# Altium PCB WatchX_Pro.PcbDoc (part 2 of 2)
Units mm, origin at the board's own origin, x right, y up, seen from the top; angles counter-clockwise.
Board outline 36.25 x 48.75 mm, 2 copper layers (Top Layer, Bottom Layer); 83 components, 60 nets, 314 pads, 112 vias.
Unrouted connection lines stored in the file: 11.
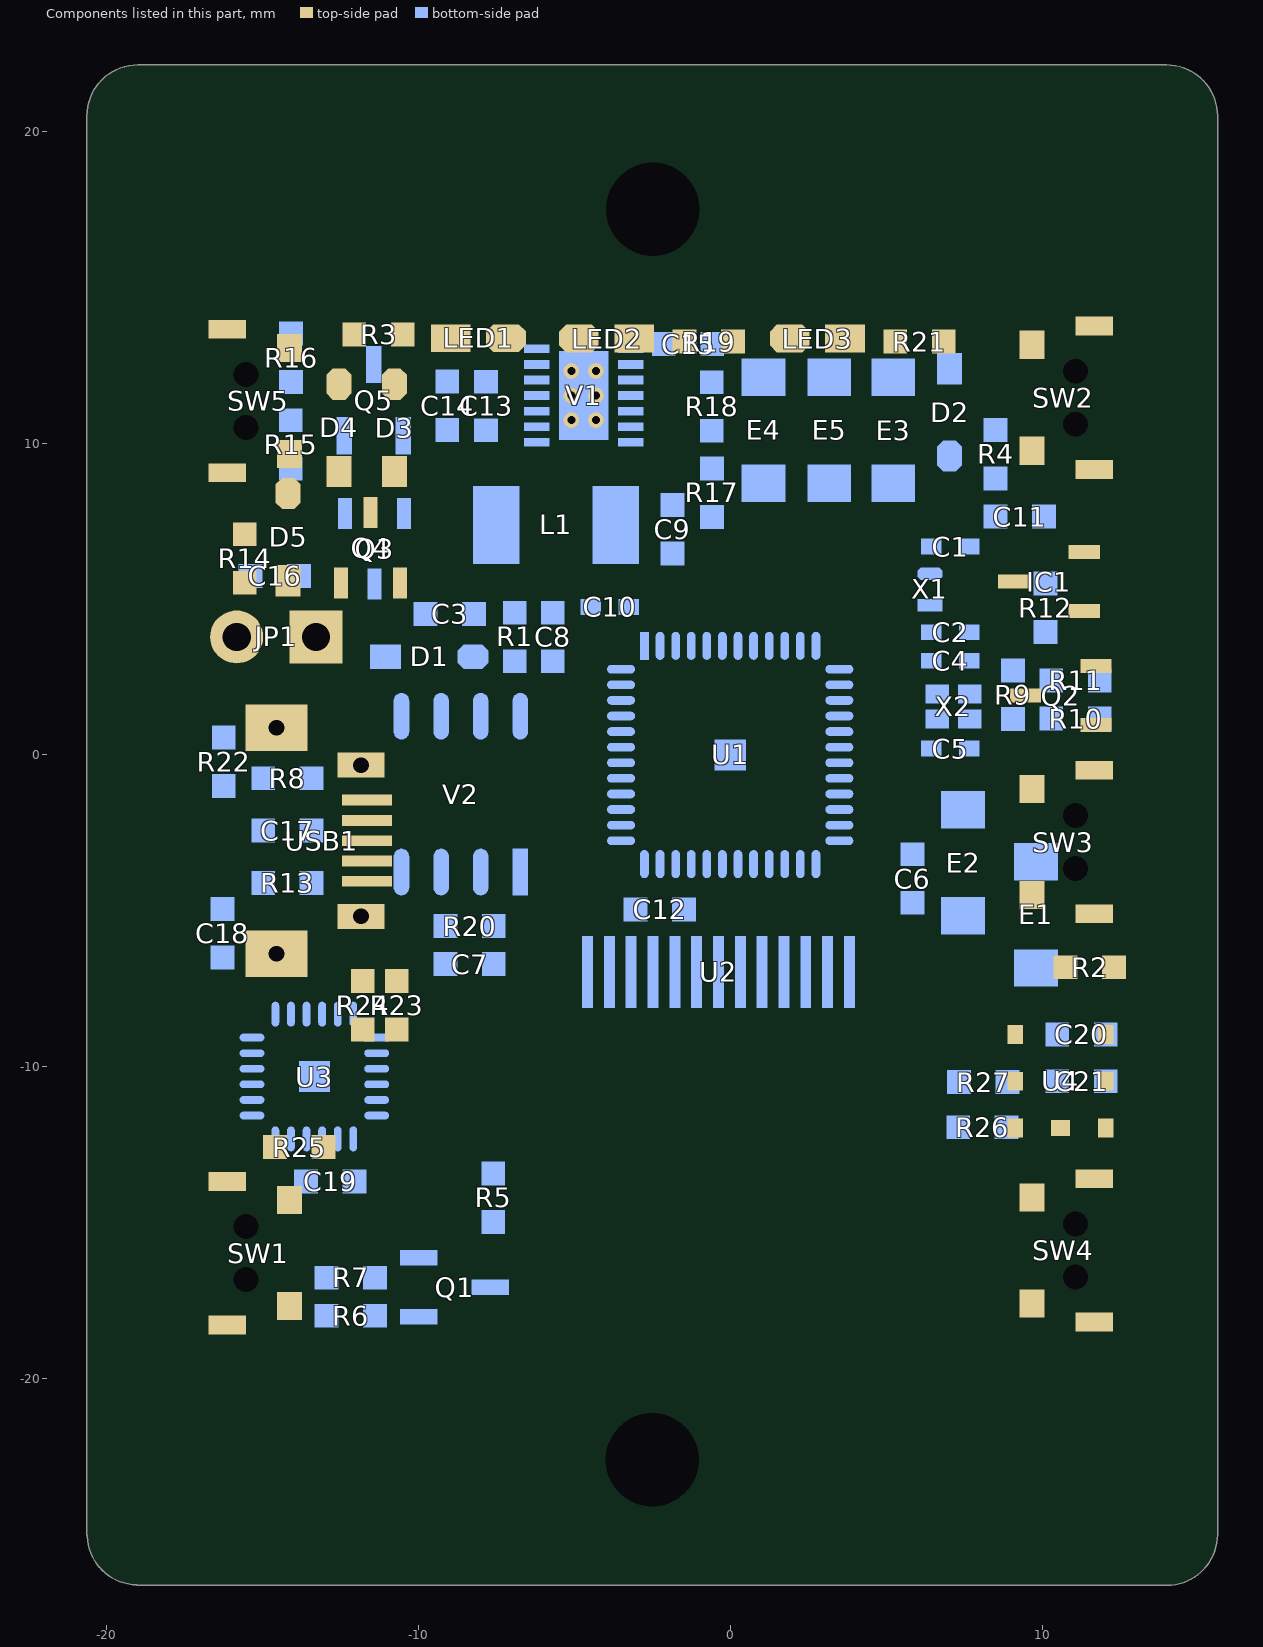
[diagram p2: the components of this part, seen from the top]

## Via types
v1: diameter 0.406, hole 0.203, Top Layer to Bottom Layer, tented both sides, 105 vias
v2: diameter 0.61, hole 0.305, Top Layer to Bottom Layer, tented both sides, 7 vias

## Nets (pads, with @x,y where several pads share a name; then routed paths per layer and width w, separated by ;. In a path a pad name is that pad's centre, name@x,y a point inside that pad or via, vN(x,y) a via of type N, cw(c..) or ccw(c..) an arc to the next point about the centre after c; other vN are vias at no path point) (continued)
copper on no net: | length 387
  Bottom Layer w0.025: 4.384,-18.898 6.746,-18.898 ; 4.384,-15.519 7,-15.519 ; 4.409,-18.872 7.025,-18.872 ; 4.409,-15.545 7.025,-15.545 ; 4.434,-18.847 7.101,-18.847 ; 4.434,-15.596 7.127,-15.596 ; 4.434,-15.57 7.076,-15.57 ; 4.46,-18.821 7.178,-18.821 ; 4.46,-18.796 7.203,-18.796 ; 4.46,-15.621 7.178,-15.621 ; 4.485,-18.771 4.638,-18.771 ; 4.485,-18.745 4.663,-18.745 ; 4.485,-15.672 4.663,-15.672 ; 4.485,-15.646 4.638,-15.646 ; 4.511,-18.72 4.663,-18.72 ; 4.511,-15.697 4.663,-15.697 ; 4.536,-18.694 4.688,-18.694 ; 4.536,-15.723 4.688,-15.723 ; 4.561,-18.669 4.714,-18.669 ; 4.561,-18.644 4.714,-18.644 ; 4.561,-15.773 4.714,-15.773 ; 4.561,-15.748 4.714,-15.748 ; 4.587,-18.618 4.739,-18.618 ; 4.587,-15.824 4.739,-15.824 ; 4.587,-15.799 4.739,-15.799 ; 4.612,-18.593 4.765,-18.593 ; 4.612,-18.567 4.765,-18.567 ; 4.612,-15.85 4.765,-15.85 ; 4.638,-18.542 4.765,-18.542 ; 4.638,-18.517 4.79,-18.517 ; 4.638,-15.9 4.79,-15.9 ; 4.638,-15.875 4.765,-15.875 ; 4.663,-18.491 4.815,-18.491 ; 4.663,-15.926 4.815,-15.926 ; 4.688,-18.466 4.841,-18.466 ; 4.688,-18.44 4.841,-18.44 ; 4.688,-15.977 4.841,-15.977 ; 4.688,-15.951 4.841,-15.951 ; 4.714,-18.415 4.866,-18.415 ; 4.714,-18.39 4.892,-18.39 ; 4.714,-16.027 4.892,-16.027 ; 4.714,-16.002 4.866,-16.002 ; 4.739,-18.364 4.917,-18.364 ; 4.739,-16.053 4.917,-16.053 ; 4.765,-18.339 4.917,-18.339 ; 4.765,-18.313 4.942,-18.313 ; 4.765,-16.104 4.942,-16.104 ; 4.765,-16.078 4.917,-16.078 ; 4.79,-18.288 4.942,-18.288 ; 4.79,-16.129 4.942,-16.129 ; 4.815,-18.263 4.968,-18.263 ; 4.815,-16.18 4.993,-16.18 ; 4.815,-16.154 4.968,-16.154 ; 4.841,-18.237 4.993,-18.237 ; 4.841,-18.212 4.993,-18.212 ; 4.841,-18.186 5.019,-18.186 ; 4.841,-16.231 5.019,-16.231 ; 4.841,-16.205 4.993,-16.205 ; 4.892,-18.161 5.044,-18.161 ; 4.892,-18.136 5.044,-18.136 ; 4.892,-16.281 5.044,-16.281 ; 4.892,-16.256 5.044,-16.256 ; 4.917,-18.11 5.069,-18.11 ; 4.917,-18.085 5.069,-18.085 ; 4.917,-16.332 5.069,-16.332 ; 4.917,-16.307 5.069,-16.307 ; 4.942,-18.059 5.095,-18.059 ; 4.942,-16.358 5.095,-16.358 ; 4.968,-18.034 5.12,-18.034 ; 4.968,-18.009 5.12,-18.009 ; 4.968,-16.408 5.12,-16.408 ; 4.968,-16.383 5.12,-16.383 ; 4.993,-17.983 5.146,-17.983 ; 4.993,-16.434 5.146,-16.434 ; 5.019,-17.958 5.171,-17.958 ; 5.019,-17.932 5.171,-17.932 ; 5.019,-16.485 5.171,-16.485 ; 5.019,-16.459 5.171,-16.459 ; 5.044,-17.907 5.222,-17.907 ; 5.044,-17.882 5.222,-17.882 ; 5.044,-16.535 5.222,-16.535 ; 5.044,-16.51 5.196,-16.51 ; 5.069,-17.856 5.222,-17.856 ; 5.069,-16.561 5.222,-16.561 ; 5.095,-17.831 5.247,-17.831 ; 5.095,-17.805 5.273,-17.805 ; 5.095,-16.612 5.273,-16.612 ; 5.095,-16.586 5.247,-16.586 ; 5.12,-17.78 5.273,-17.78 ; 5.12,-16.662 5.298,-16.662 ; 5.12,-16.637 5.273,-16.637 ; 5.146,-17.755 5.298,-17.755 ; 5.146,-17.729 5.323,-17.729 ; 5.146,-16.688 5.298,-16.688 ; 5.171,-17.704 5.323,-17.704 ; 5.171,-16.713 5.323,-16.713 ; 5.196,-17.678 5.349,-17.678 ; 5.196,-16.739 5.349,-16.739 ; 5.222,-17.653 5.374,-17.653 ; 5.222,-17.628 5.374,-17.628 ; 5.222,-16.789 5.374,-16.789 ; 5.222,-16.764 5.374,-16.764 ; 5.247,-17.602 5.4,-17.602 ; 5.247,-17.577 5.4,-17.577 ; 5.247,-16.84 5.4,-16.84 ; 5.247,-16.815 5.4,-16.815 ; 5.273,-17.551 5.425,-17.551 ; 5.273,-16.891 5.425,-16.891 ; 5.273,-16.866 5.425,-16.866 ; 5.298,-17.526 5.425,-17.526 ; 5.298,-17.501 5.45,-17.501 ; 5.298,-16.916 5.45,-16.916 ; 5.323,-17.475 5.476,-17.475 ; 5.323,-17.45 5.476,-17.45 ; 5.323,-16.967 5.476,-16.967 ; 5.323,-16.942 5.476,-16.942 ; 5.349,-17.424 5.501,-17.424 ; 5.349,-16.993 5.501,-16.993 ; 5.374,-17.399 5.527,-17.399 ; 5.374,-17.374 5.552,-17.374 ; 5.374,-17.043 5.552,-17.043 ; 5.374,-17.018 5.527,-17.018 ; 5.4,-17.348 5.577,-17.348 ; 5.4,-17.069 5.552,-17.069 ; 5.425,-17.323 5.577,-17.323 ; 5.425,-17.297 5.603,-17.297 ; 5.425,-17.12 5.603,-17.12 ; 5.425,-17.094 5.577,-17.094 ; 5.45,-17.272 5.603,-17.272 ; 5.45,-17.17 5.628,-17.17 ; 5.45,-17.145 5.603,-17.145 ; 5.476,-17.247 5.628,-17.247 ; 5.476,-17.221 5.654,-17.221 ; 5.476,-17.196 5.628,-17.196 ; 5.704,-17.932 6.085,-17.932 ; 5.704,-17.907 6.06,-17.907 ; 5.704,-17.882 6.06,-17.882 ; 5.704,-17.856 6.06,-17.856 ; 5.704,-17.831 6.035,-17.831 ; 5.704,-17.805 5.882,-17.805 ; 5.73,-17.983 6.111,-17.983 ; 5.73,-17.958 6.085,-17.958 ; 5.73,-17.78 5.857,-17.78 ; 5.755,-18.034 6.136,-18.034 ; 5.755,-18.009 6.111,-18.009 ; 5.781,-18.059 6.136,-18.059 ; 5.781,-17.755 5.806,-17.755 ; 5.781,-17.297 6.162,-17.297 ; 5.781,-17.272 6.136,-17.272 ; 5.781,-17.247 6.111,-17.247 ; 5.781,-17.221 6.111,-17.221 ; 5.781,-17.196 6.111,-17.196 ; 5.781,-17.17 6.111,-17.17 ; 5.781,-17.145 6.085,-17.145 ; 5.781,-17.12 6.111,-17.12 ; 5.781,-17.094 6.67,-17.094 ; 5.806,-18.085 6.136,-18.085 ; 5.806,-17.526 5.958,-17.526 ; 5.806,-17.501 5.958,-17.501 ; 5.806,-17.475 5.958,-17.475 ; 5.806,-17.45 6.289,-17.45 ; 5.806,-17.424 6.263,-17.424 ; 5.806,-17.399 6.238,-17.399 ; 5.806,-17.374 6.212,-17.374 ; 5.806,-17.348 6.187,-17.348 ; 5.806,-17.323 6.162,-17.323 ; 5.806,-17.069 6.644,-17.069 ; 5.806,-17.043 6.619,-17.043 ; 5.806,-17.018 6.593,-17.018 ; 5.806,-16.993 6.568,-16.993 ; 5.806,-16.967 6.543,-16.967 ; 5.806,-16.942 6.492,-16.942 ; 5.806,-16.916 6.466,-16.916 ; 5.806,-16.891 6.416,-16.891 ; 5.806,-16.866 6.39,-16.866 ; 5.831,-18.136 6.187,-18.136 ; 5.831,-18.11 6.162,-18.11 ; 5.831,-17.628 5.984,-17.628 ; 5.831,-17.602 5.984,-17.602 ; 5.831,-17.577 5.958,-17.577 ; 5.831,-17.551 5.958,-17.551 ; 5.831,-16.84 6.365,-16.84 ; 5.831,-16.815 6.289,-16.815 ; 5.831,-16.789 6.263,-16.789 ; 5.831,-16.764 5.984,-16.764 ; 5.857,-17.704 6.009,-17.704 ; 5.857,-17.678 5.984,-17.678 ; 5.857,-17.653 5.984,-17.653 ; 5.857,-16.739 5.984,-16.739 ; 5.857,-16.713 5.984,-16.713 ; 5.882,-18.161 6.187,-18.161 ; 5.882,-17.78 6.035,-17.78 ; 5.882,-17.755 6.009,-17.755 ; 5.882,-17.729 6.009,-17.729 ; 5.882,-16.688 6.009,-16.688 ; 5.882,-16.662 6.009,-16.662 ; 5.882,-16.637 6.009,-16.637 ; 5.882,-16.612 6.035,-16.612 ; 5.908,-18.212 6.238,-18.212 ; 5.908,-18.186 6.238,-18.186 ; 5.908,-17.805 6.035,-17.805 ; 5.908,-16.586 6.035,-16.586 ; 5.908,-16.561 6.035,-16.561 ; 5.908,-16.535 6.06,-16.535 ; 5.933,-18.263 6.289,-18.263 ; 5.933,-18.237 6.263,-18.237 ; 5.933,-16.51 6.06,-16.51 ; 5.933,-16.485 6.06,-16.485 ; 5.933,-16.459 6.085,-16.459 ; 5.958,-18.288 6.314,-18.288 ; 5.958,-16.434 6.085,-16.434 ; 5.958,-16.408 6.111,-16.408 ; 5.958,-16.383 6.111,-16.383 ; 5.984,-18.313 6.339,-18.313 ; 5.984,-17.475 6.314,-17.475 ; 5.984,-16.358 6.136,-16.358 ; 5.984,-16.332 6.136,-16.332 ; 6.009,-18.339 6.365,-18.339 ; 6.009,-17.526 6.365,-17.526 ; 6.009,-17.501 6.339,-17.501 ; 6.009,-16.307 6.162,-16.307 ; 6.035,-18.364 6.416,-18.364 ; 6.035,-17.551 6.365,-17.551 ; 6.035,-16.764 6.136,-16.764 ; 6.035,-16.281 6.162,-16.281 ; 6.035,-16.256 6.187,-16.256 ; 6.06,-18.39 6.441,-18.39 ; 6.06,-17.577 6.365,-17.577 ; 6.06,-16.231 6.187,-16.231 ; 6.06,-16.205 6.238,-16.205 ; 6.06,-16.18 6.238,-16.18 ; 6.085,-18.415 6.466,-18.415 ; 6.085,-17.602 6.365,-17.602 ; 6.085,-16.154 6.238,-16.154 ; 6.111,-18.44 6.492,-18.44 ; 6.111,-17.628 6.365,-17.628 ; 6.111,-16.129 6.263,-16.129 ; 6.111,-16.104 6.289,-16.104 ; 6.136,-18.466 6.543,-18.466 ; 6.136,-17.653 6.365,-17.653 ; 6.136,-16.078 6.289,-16.078 ; 6.136,-16.053 6.314,-16.053 ; 6.162,-18.491 6.593,-18.491 ; 6.162,-17.678 6.339,-17.678 ; 6.162,-16.027 6.339,-16.027 ; 6.187,-18.517 6.644,-18.517 ; 6.187,-16.002 6.365,-16.002 ; 6.212,-17.704 6.339,-17.704 ; 6.212,-15.977 6.39,-15.977 ; 6.212,-15.037 6.543,-15.037 ; 6.212,-15.011 6.543,-15.011 ; 6.212,-14.986 6.543,-14.986 ; 6.212,-14.961 6.517,-14.961 ; 6.212,-14.935 6.543,-14.935 ; 6.212,-14.91 6.543,-14.91 ; 6.238,-18.542 6.695,-18.542 ; 6.238,-17.12 6.72,-17.12 ; 6.238,-15.951 6.416,-15.951 ; 6.238,-15.138 6.593,-15.138 ; 6.238,-15.113 6.568,-15.113 ; 6.238,-15.088 6.568,-15.088 ; 6.238,-15.062 6.568,-15.062 ; 6.238,-14.884 6.543,-14.884 ; 6.238,-14.859 6.568,-14.859 ; 6.238,-14.834 6.568,-14.834 ; 6.238,-14.808 6.593,-14.808 ; 6.238,-14.783 6.593,-14.783 ; 6.263,-18.593 7.355,-18.593 ; 6.263,-18.567 7.355,-18.567 ; 6.263,-15.926 6.441,-15.926 ; 6.263,-15.215 6.619,-15.215 ; 6.263,-15.189 6.619,-15.189 ; 6.263,-15.164 6.593,-15.164 ; 6.263,-14.757 6.619,-14.757 ; 6.263,-14.732 6.644,-14.732 ; 6.289,-18.618 7.355,-18.618 ; 6.289,-17.145 6.746,-17.145 ; 6.289,-15.9 6.441,-15.9 ; 6.289,-15.291 6.695,-15.291 ; 6.289,-15.265 6.67,-15.265 ; 6.289,-15.24 6.644,-15.24 ; 6.289,-14.707 6.695,-14.707 ; 6.289,-14.681 6.72,-14.681 ; 6.289,-14.656 7.355,-14.656 ; 6.314,-18.644 7.33,-18.644 ; 6.314,-17.17 6.771,-17.17 ; 6.314,-15.875 6.466,-15.875 ; 6.314,-15.85 6.492,-15.85 ; 6.314,-15.316 6.898,-15.316 ; 6.314,-14.63 7.381,-14.63 ; 6.339,-15.824 6.517,-15.824 ; 6.339,-15.367 6.847,-15.367 ; 6.339,-15.342 6.847,-15.342 ; 6.339,-14.605 7.381,-14.605 ; 6.365,-18.669 7.33,-18.669 ; 6.365,-17.221 6.797,-17.221 ; 6.365,-17.196 6.771,-17.196 ; 6.365,-15.799 6.568,-15.799 ; 6.365,-15.392 6.822,-15.392 ; 6.365,-14.58 7.406,-14.58 ; 6.39,-18.694 7.305,-18.694 ; 6.39,-15.773 6.593,-15.773 ; 6.39,-15.418 6.822,-15.418 ; 6.39,-14.554 7.254,-14.554 ; 6.416,-17.247 6.822,-17.247 ; 6.416,-15.748 6.619,-15.748 ; 6.416,-15.469 7.101,-15.469 ; 6.416,-15.443 7.152,-15.443 ; 6.416,-14.529 7.228,-14.529 ; 6.441,-18.72 7.279,-18.72 ; 6.441,-17.272 6.847,-17.272 ; 6.441,-15.723 6.644,-15.723 ; 6.441,-15.494 7.025,-15.494 ; 6.441,-14.503 7.203,-14.503 ; 6.441,-14.478 7.178,-14.478 ; 6.466,-17.297 6.847,-17.297 ; 6.466,-15.697 6.67,-15.697 ; 6.466,-14.453 7.152,-14.453 ; 6.492,-18.745 7.279,-18.745 ; 6.492,-17.348 6.924,-17.348 ; 6.492,-17.323 6.898,-17.323 ; 6.492,-15.672 7.33,-15.672 ; 6.517,-18.771 7.254,-18.771 ; 6.517,-14.427 7.101,-14.427 ; 6.543,-17.374 6.949,-17.374 ; 6.543,-15.646 7.254,-15.646 ; 6.568,-17.399 6.949,-17.399 ; 6.593,-18.948 6.771,-18.948 ; 6.593,-18.923 6.746,-18.923 ; 6.593,-17.424 6.974,-17.424 ; 6.593,-14.402 7.051,-14.402 ; 6.619,-18.974 6.771,-18.974 ; 6.619,-17.45 7,-17.45 ; 6.644,-18.999 6.797,-18.999 ; 6.644,-17.501 7.025,-17.501 ; 6.644,-17.475 7.025,-17.475 ; 6.644,-14.376 7,-14.376 ; 6.67,-19.05 6.822,-19.05 ; 6.67,-19.025 6.822,-19.025 ; 6.67,-17.551 7.076,-17.551 ; 6.67,-17.526 7.051,-17.526 ; 6.695,-19.075 6.847,-19.075 ; 6.695,-17.577 7.076,-17.577 ; 6.695,-15.697 7.406,-15.697 ; 6.72,-19.101 6.898,-19.101 ; 6.72,-17.602 7.101,-17.602 ; 6.72,-15.723 7.508,-15.723 ; 6.746,-19.152 6.924,-19.152 ; 6.746,-19.126 6.898,-19.126 ; 6.746,-17.653 7.127,-17.653 ; 6.746,-17.628 7.101,-17.628 ; 6.746,-15.291 6.924,-15.291 ; 6.746,-15.265 6.924,-15.265 ; 6.746,-14.351 6.898,-14.351 ; 6.771,-19.177 6.949,-19.177 ; 6.771,-18.898 7.051,-18.898 ; 6.771,-17.704 7.152,-17.704 ; 6.771,-17.678 7.127,-17.678 ; 6.771,-15.748 7.609,-15.748 ; 6.771,-15.24 6.949,-15.24 ; 6.797,-19.228 6.974,-19.228 ; 6.797,-19.202 6.949,-19.202 ; 6.797,-18.923 7.101,-18.923 ; 6.797,-17.729 7.152,-17.729 ; 6.797,-15.773 7.686,-15.773 ; 6.797,-15.215 6.949,-15.215 ; 6.822,-19.253 7,-19.253 ; 6.822,-18.948 7.152,-18.948 ; 6.822,-17.78 7.203,-17.78 ; 6.822,-17.755 7.178,-17.755 ; 6.822,-15.189 6.974,-15.189 ; 6.822,-15.164 7,-15.164 ; 6.847,-19.304 7.025,-19.304 ; 6.847,-19.279 7,-19.279 ; 6.847,-17.831 7.228,-17.831 ; 6.847,-17.805 7.203,-17.805 ; 6.847,-15.799 8.092,-15.799 ; 6.847,-15.138 7,-15.138 ; 6.847,-15.113 7.025,-15.113 ; 6.873,-19.329 7.025,-19.329 ; 6.873,-17.856 7.254,-17.856 ; 6.898,-19.355 7.051,-19.355 ; 6.898,-18.974 7.228,-18.974 ; 6.898,-17.907 7.254,-17.907 ; 6.898,-17.882 7.254,-17.882 ; 6.898,-15.824 8.117,-15.824 ; 6.898,-15.418 7.254,-15.418 ; 6.898,-15.088 7.051,-15.088 ; 6.924,-19.38 7.076,-19.38 ; 6.924,-17.958 7.279,-17.958 ; 6.924,-17.932 7.279,-17.932 ; 6.924,-15.062 7.076,-15.062 ; 6.924,-15.037 7.076,-15.037 ; 6.924,-14.681 7.381,-14.681 ; 6.949,-19.431 7.127,-19.431 ; 6.949,-19.406 7.101,-19.406 ; 6.949,-18.999 7.33,-18.999 ; 6.949,-18.542 7.381,-18.542 ; 6.949,-18.034 7.305,-18.034 ; 6.949,-18.009 7.305,-18.009 ; 6.949,-17.983 7.305,-17.983 ; 6.949,-15.85 8.143,-15.85 ; 6.949,-15.392 7.33,-15.392 ; 6.949,-15.011 7.101,-15.011 ; 6.949,-14.986 7.127,-14.986 ; 6.949,-14.707 7.406,-14.707 ; 6.974,-19.456 7.127,-19.456 ; 6.974,-18.517 7.381,-18.517 ; 6.974,-18.085 7.33,-18.085 ; 6.974,-18.059 7.33,-18.059 ; 6.974,-15.875 8.244,-15.875 ; 6.974,-14.961 7.127,-14.961 ; 6.974,-14.732 7.432,-14.732 ; 7,-19.507 7.178,-19.507 ; 7,-19.482 7.152,-19.482 ; 7,-19.025 7.457,-19.025 ; 7,-18.491 7.381,-18.491 ; 7,-18.161 7.355,-18.161 ; 7,-18.136 7.355,-18.136 ; 7,-18.11 7.33,-18.11 ; 7,-15.367 7.838,-15.367 ; 7,-14.935 7.152,-14.935 ; 7.025,-19.533 7.178,-19.533 ; 7.025,-18.466 7.381,-18.466 ; 7.025,-18.44 7.381,-18.44 ; 7.025,-18.415 7.381,-18.415 ; 7.025,-18.39 7.381,-18.39 ; 7.025,-18.313 7.381,-18.313 ; 7.025,-18.288 7.381,-18.288 ; 7.025,-18.263 7.381,-18.263 ; 7.025,-18.237 7.355,-18.237 ; 7.025,-18.212 7.355,-18.212 ; 7.025,-18.186 7.355,-18.186 ; 7.025,-14.91 7.559,-14.91 ; 7.025,-14.884 7.559,-14.884 ; 7.025,-14.757 7.457,-14.757 ; 7.051,-19.558 7.228,-19.558 ; 7.051,-19.05 7.635,-19.05 ; 7.051,-18.364 7.381,-18.364 ; 7.051,-18.339 7.381,-18.339 ; 7.051,-15.9 8.498,-15.9 ; 7.051,-15.342 7.838,-15.342 ; 7.051,-14.859 7.533,-14.859 ; 7.051,-14.783 7.482,-14.783 ; 7.076,-19.609 7.254,-19.609 ; 7.076,-19.583 7.254,-19.583 ; 7.076,-14.834 7.508,-14.834 ; 7.076,-14.808 7.482,-14.808 ; 7.101,-19.66 7.279,-19.66 ; 7.101,-19.634 7.279,-19.634 ; 7.101,-15.926 8.752,-15.926 ; 7.127,-19.685 7.305,-19.685 ; 7.127,-19.075 8.448,-19.075 ; 7.127,-15.316 8.448,-15.316 ; 7.152,-19.71 7.33,-19.71 ; 7.152,-15.951 9.057,-15.951 ; 7.178,-19.761 7.355,-19.761 ; 7.178,-19.736 7.33,-19.736 ; 7.178,-14.935 7.584,-14.935 ; 7.203,-14.961 7.609,-14.961 ; 7.228,-19.787 7.381,-19.787 ; 7.228,-19.101 8.371,-19.101 ; 7.228,-15.977 9.489,-15.977 ; 7.228,-15.291 8.371,-15.291 ; 7.228,-14.986 7.635,-14.986 ; 7.254,-19.837 7.406,-19.837 ; 7.254,-19.812 7.381,-19.812 ; 7.254,-15.011 7.635,-15.011 ; 7.279,-19.863 7.432,-19.863 ; 7.279,-17.78 7.533,-17.78 ; 7.279,-17.755 7.508,-17.755 ; 7.279,-17.729 7.482,-17.729 ; 7.279,-17.704 7.482,-17.704 ; 7.279,-17.678 7.457,-17.678 ; 7.279,-17.653 7.432,-17.653 ; 7.279,-17.628 7.406,-17.628 ; 7.279,-15.062 7.686,-15.062 ; 7.279,-15.037 7.66,-15.037 ; 7.279,-14.554 7.432,-14.554 ; 7.305,-19.914 7.457,-19.914 ; 7.305,-19.888 7.457,-19.888 ; 7.305,-19.126 8.295,-19.126 ; 7.305,-17.831 7.584,-17.831 ; 7.305,-17.805 7.559,-17.805 ; 7.305,-15.088 7.711,-15.088 ; 7.305,-14.529 7.457,-14.529 ; 7.305,-14.503 7.457,-14.503 ; 7.33,-19.964 7.508,-19.964 ; 7.33,-19.939 7.482,-19.939 ; 7.33,-17.907 7.609,-17.907 ; 7.33,-17.882 7.609,-17.882 ; 7.33,-17.856 7.584,-17.856 ; 7.33,-16.002 9.641,-16.002 ; 7.33,-15.265 8.27,-15.265 ; 7.33,-15.138 7.711,-15.138 ; 7.33,-15.113 7.711,-15.113 ; 7.33,-14.478 7.482,-14.478 ; 7.33,-14.453 7.508,-14.453 ; 7.355,-19.99 7.508,-19.99 ; 7.355,-17.932 7.635,-17.932 ; 7.355,-15.189 7.736,-15.189 ; 7.355,-15.164 7.736,-15.164 ; 7.355,-14.427 7.508,-14.427 ; 7.381,-20.041 7.559,-20.041 ; 7.381,-20.015 7.533,-20.015 ; 7.381,-17.983 7.66,-17.983 ; 7.381,-17.958 7.66,-17.958 ; 7.381,-16.027 9.692,-16.027 ; 7.381,-15.24 8.117,-15.24 ; 7.381,-15.215 7.99,-15.215 ; 7.381,-14.402 7.559,-14.402 ; 7.406,-20.066 7.584,-20.066 ; 7.406,-19.152 8.168,-19.152 ; 7.406,-18.009 7.686,-18.009 ; 7.406,-14.376 7.559,-14.376 ; 7.406,-14.351 7.584,-14.351 ; 7.432,-20.091 7.609,-20.091 ; 7.432,-18.059 7.736,-18.059 ; 7.432,-18.034 7.711,-18.034 ; 7.432,-14.326 7.609,-14.326 ; 7.457,-20.117 7.635,-20.117 ; 7.457,-18.085 7.762,-18.085 ; 7.457,-14.3 7.635,-14.3 ; 7.482,-20.168 7.66,-20.168 ; 7.482,-20.142 7.635,-20.142 ; 7.482,-18.136 7.787,-18.136 ; 7.482,-18.11 7.787,-18.11 ; 7.482,-17.043 8.117,-17.043 ; 7.482,-17.018 8.092,-17.018 ; 7.482,-16.993 8.067,-16.993 ; 7.482,-16.967 8.016,-16.967 ; 7.482,-16.942 7.965,-16.942 ; 7.482,-15.418 7.889,-15.418 ; 7.482,-15.392 7.863,-15.392 ; 7.482,-14.275 7.635,-14.275 ; 7.482,-14.249 7.66,-14.249 ; 7.508,-20.193 7.66,-20.193 ; 7.508,-18.161 7.813,-18.161 ; 7.508,-17.094 8.194,-17.094 ; 7.508,-17.069 8.168,-17.069 ; 7.508,-16.916 7.94,-16.916 ; 7.508,-16.053 9.718,-16.053 ; 7.508,-15.443 7.889,-15.443 ; 7.508,-14.224 7.686,-14.224 ; 7.533,-20.218 7.686,-20.218 ; 7.533,-18.186 7.838,-18.186 ; 7.533,-17.12 8.244,-17.12 ; 7.533,-16.891 7.889,-16.891 ; 7.533,-15.469 7.914,-15.469 ; 7.533,-14.199 7.686,-14.199 ; 7.559,-20.269 7.736,-20.269 ; 7.559,-20.244 7.711,-20.244 ; 7.559,-18.237 7.889,-18.237 ; 7.559,-18.212 7.889,-18.212 ; 7.559,-17.17 8.295,-17.17 ; 7.559,-17.145 8.27,-17.145 ; 7.559,-16.866 7.838,-16.866 ; 7.559,-15.519 7.94,-15.519 ; 7.559,-15.494 7.94,-15.494 ; 7.559,-14.173 7.711,-14.173 ; 7.559,-14.148 7.736,-14.148 ; 7.584,-20.295 7.736,-20.295 ; 7.584,-18.263 7.914,-18.263 ; 7.584,-17.221 8.346,-17.221 ; 7.584,-17.196 8.346,-17.196 ; 7.584,-16.84 7.787,-16.84 ; 7.584,-15.545 7.965,-15.545 ; 7.584,-14.122 7.736,-14.122 ; 7.609,-20.32 7.762,-20.32 ; 7.609,-19.177 7.99,-19.177 ; 7.609,-18.313 7.99,-18.313 ; 7.609,-18.288 7.94,-18.288 ; 7.609,-17.247 8.371,-17.247 ; 7.609,-15.596 7.99,-15.596 ; 7.609,-15.57 7.965,-15.57 ; 7.609,-14.097 7.762,-14.097 ; 7.635,-20.371 7.787,-20.371 ; 7.635,-20.345 7.787,-20.345 ; 7.635,-18.339 8.016,-18.339 ; 7.635,-17.272 8.397,-17.272 ; 7.635,-16.078 9.718,-16.078 ; 7.635,-15.646 8.016,-15.646 ; 7.635,-15.621 7.99,-15.621 ; 7.635,-14.072 7.787,-14.072 ; 7.635,-14.046 7.787,-14.046 ; 7.66,-20.422 7.965,-20.422 ; 7.66,-20.396 7.965,-20.396 ; 7.66,-18.364 8.524,-18.364 ; 7.66,-17.323 8.473,-17.323 ; 7.66,-17.297 8.448,-17.297 ; 7.66,-15.672 8.016,-15.672 ; 7.66,-14.021 7.965,-14.021 ; 7.686,-20.447 7.94,-20.447 ; 7.686,-18.415 8.524,-18.415 ; 7.686,-18.39 8.524,-18.39 ; 7.686,-17.348 8.041,-17.348 ; 7.686,-15.723 8.041,-15.723 ; 7.686,-15.697 8.041,-15.697 ; 7.686,-13.995 7.94,-13.995 ; 7.686,-13.97 7.94,-13.97 ; 7.711,-20.472 7.914,-20.472 ; 7.711,-18.44 8.524,-18.44 ; 7.711,-17.374 8.067,-17.374 ; 7.711,-16.104 9.718,-16.104 ; 7.711,-15.773 8.067,-15.773 ; 7.711,-15.748 8.067,-15.748 ; 7.711,-13.945 7.914,-13.945 ; 7.736,-20.498 7.889,-20.498 ; 7.736,-17.424 8.092,-17.424 ; 7.736,-17.399 8.067,-17.399 ; 7.736,-13.919 7.889,-13.919 ; 7.762,-20.549 7.838,-20.549 ; 7.762,-20.523 7.863,-20.523 ; 7.762,-18.466 8.524,-18.466 ; 7.762,-17.45 8.117,-17.45 ; 7.762,-13.894 7.863,-13.894 ; 7.762,-13.868 7.838,-13.868 ; 7.787,-20.574 7.838,-20.574 ; 7.787,-18.491 8.524,-18.491 ; 7.787,-17.475 8.117,-17.475 ; 7.787,-13.843 7.813,-13.843 ; 7.813,-20.371 7.99,-20.371 ; 7.813,-18.517 8.524,-18.517 ; 7.813,-17.526 8.143,-17.526 ; 7.813,-17.501 8.143,-17.501 ; 7.813,-14.046 7.99,-14.046 ; 7.838,-20.345 8.016,-20.345 ; 7.838,-18.542 8.524,-18.542 ; 7.838,-17.577 8.168,-17.577 ; 7.838,-17.551 8.168,-17.551 ; 7.838,-16.129 9.718,-16.129 ; 7.838,-14.072 8.016,-14.072 ; 7.863,-20.32 8.016,-20.32 ; 7.863,-18.567 8.498,-18.567 ; 7.863,-17.602 8.194,-17.602 ; 7.863,-14.097 8.016,-14.097 ; 7.889,-20.295 8.041,-20.295 ; 7.889,-20.269 8.041,-20.269 ; 7.889,-18.593 8.498,-18.593 ; 7.889,-17.628 8.194,-17.628 ; 7.889,-14.148 8.041,-14.148 ; 7.889,-14.122 8.041,-14.122 ; 7.914,-20.244 8.067,-20.244 ; 7.914,-18.618 8.498,-18.618 ; 7.914,-17.678 8.244,-17.678 ; 7.914,-17.653 8.219,-17.653 ; 7.914,-14.173 8.067,-14.173 ; 7.94,-20.218 8.092,-20.218 ; 7.94,-18.644 8.473,-18.644 ; 7.94,-17.729 8.27,-17.729 ; 7.94,-17.704 8.244,-17.704 ; 7.94,-16.154 9.718,-16.154 ; 7.94,-14.224 8.117,-14.224 ; 7.94,-14.199 8.092,-14.199 ; 7.965,-20.193 8.117,-20.193 ; 7.965,-20.168 8.117,-20.168 ; 7.965,-19.05 8.524,-19.05 ; 7.965,-17.78 8.295,-17.78 ; 7.965,-17.755 8.295,-17.755 ; 7.965,-16.205 9.718,-16.205 ; 7.965,-16.18 9.718,-16.18 ; 7.965,-15.342 8.524,-15.342 ; 7.965,-14.249 8.117,-14.249 ; 7.99,-20.142 8.143,-20.142 ; 7.99,-18.669 8.473,-18.669 ; 7.99,-17.805 8.321,-17.805 ; 7.99,-16.256 8.346,-16.256 ; 7.99,-16.231 8.346,-16.231 ; 7.99,-14.275 8.143,-14.275 ; 8.016,-20.117 8.168,-20.117 ; 8.016,-20.091 8.194,-20.091 ; 8.016,-18.694 8.448,-18.694 ; 8.016,-17.882 8.346,-17.882 ; 8.016,-17.856 8.346,-17.856 ; 8.016,-17.831 8.346,-17.831 ; 8.016,-16.307 8.371,-16.307 ; 8.016,-16.281 8.346,-16.281 ; 8.016,-14.326 8.194,-14.326 ; 8.016,-14.3 8.168,-14.3 ; 8.041,-20.066 8.194,-20.066 ; 8.041,-17.932 8.371,-17.932 ; 8.041,-17.907 8.371,-17.907 ; 8.041,-16.358 8.397,-16.358 ; 8.041,-16.332 8.371,-16.332 ; 8.041,-14.351 8.194,-14.351 ; 8.067,-20.041 8.219,-20.041 ; 8.067,-18.72 8.422,-18.72 ; 8.067,-17.983 8.397,-17.983 ; 8.067,-17.958 8.397,-17.958 ; 8.067,-17.348 8.473,-17.348 ; 8.067,-16.408 8.422,-16.408 ; 8.067,-16.383 8.397,-16.383 ; 8.067,-14.402 8.244,-14.402 ; 8.067,-14.376 8.219,-14.376 ; 8.092,-20.015 8.244,-20.015 ; 8.092,-19.99 8.27,-19.99 ; 8.092,-18.034 8.422,-18.034 ; 8.092,-18.009 8.397,-18.009 ; 8.092,-16.434 8.448,-16.434 ; 8.092,-14.427 8.27,-14.427 ; 8.117,-19.964 8.295,-19.964 ; 8.117,-19.939 8.295,-19.939 ; 8.117,-18.11 8.448,-18.11 ; 8.117,-18.085 8.448,-18.085 ; 8.117,-18.059 8.422,-18.059 ; 8.117,-17.374 8.524,-17.374 ; 8.117,-16.485 8.473,-16.485 ; 8.117,-16.459 8.448,-16.459 ; 8.117,-14.453 8.295,-14.453 ; 8.143,-19.914 8.321,-19.914 ; 8.143,-19.025 8.575,-19.025 ; 8.143,-18.745 8.397,-18.745 ; 8.143,-18.339 8.498,-18.339 ; 8.143,-18.161 8.473,-18.161 ; 8.143,-18.136 8.473,-18.136 ; 8.143,-16.535 8.473,-16.535 ; 8.143,-16.51 8.473,-16.51 ; 8.143,-15.367 8.575,-15.367 ; 8.143,-14.503 8.321,-14.503 ; 8.143,-14.478 8.295,-14.478 ; 8.168,-19.888 8.346,-19.888 ; 8.168,-18.313 8.498,-18.313 ; 8.168,-18.288 8.498,-18.288 ; 8.168,-18.263 8.498,-18.263 ; 8.168,-18.237 8.473,-18.237 ; 8.168,-18.212 8.473,-18.212 ; 8.168,-18.186 8.473,-18.186 ; 8.168,-17.399 8.524,-17.399 ; 8.168,-16.586 8.498,-16.586 ; 8.168,-16.561 8.498,-16.561 ; 8.168,-14.554 8.346,-14.554 ; 8.168,-14.529 8.321,-14.529 ; 8.194,-19.863 8.346,-19.863 ; 8.194,-19.837 8.371,-19.837 ; 8.194,-17.424 8.93,-17.424 ; 8.194,-16.662 8.549,-16.662 ; 8.194,-16.637 8.524,-16.637 ; 8.194,-16.612 8.524,-16.612 ; 8.194,-14.58 8.371,-14.58 ; 8.219,-19.812 8.397,-19.812 ; 8.219,-14.605 8.397,-14.605 ; 8.244,-19.787 8.397,-19.787 ; 8.244,-17.45 8.93,-17.45 ; 8.244,-16.713 8.575,-16.713 ; 8.244,-16.688 8.575,-16.688 ; 8.244,-14.63 8.397,-14.63 ; 8.27,-19.761 8.422,-19.761 ; 8.27,-18.999 8.651,-18.999 ; 8.27,-16.764 8.6,-16.764 ; 8.27,-16.739 8.6,-16.739 ; 8.27,-15.392 8.651,-15.392 ; 8.27,-14.656 8.422,-14.656 ; 8.295,-19.736 8.448,-19.736 ; 8.295,-17.475 8.956,-17.475 ; 8.295,-16.815 8.625,-16.815 ; 8.295,-16.789 8.625,-16.789 ; 8.295,-14.707 8.473,-14.707 ; 8.295,-14.681 8.448,-14.681 ; 8.321,-19.71 8.473,-19.71 ; 8.321,-19.685 8.473,-19.685 ; 8.321,-17.501 8.956,-17.501 ; 8.321,-16.866 8.651,-16.866 ; 8.321,-16.84 8.651,-16.84 ; 8.321,-14.732 8.473,-14.732 ; 8.346,-19.66 8.498,-19.66 ; 8.346,-17.526 8.981,-17.526 ; 8.346,-16.916 8.676,-16.916 ; 8.346,-16.891 8.676,-16.891 ; 8.346,-15.418 8.702,-15.418 ; 8.346,-14.757 8.498,-14.757 ; 8.371,-19.634 8.524,-19.634 ; 8.371,-19.609 8.524,-19.609 ; 8.371,-18.974 8.702,-18.974 ; 8.371,-17.551 8.981,-17.551 ; 8.371,-16.967 8.702,-16.967 ; 8.371,-16.942 8.702,-16.942 ; 8.371,-14.808 8.524,-14.808 ; 8.371,-14.783 8.524,-14.783 ; 8.397,-19.583 8.549,-19.583 ; 8.397,-19.558 8.575,-19.558 ; 8.397,-17.602 9.006,-17.602 ; 8.397,-17.577 8.981,-17.577 ; 8.397,-17.043 8.727,-17.043 ; 8.397,-17.018 8.727,-17.018 ; 8.397,-16.993 8.727,-16.993 ; 8.397,-14.859 8.575,-14.859 ; 8.397,-14.834 8.549,-14.834 ; 8.422,-19.533 8.6,-19.533 ; 8.422,-17.069 8.752,-17.069 ; 8.422,-15.443 8.752,-15.443 ; 8.422,-14.884 8.6,-14.884 ; 8.448,-19.507 8.625,-19.507 ; 8.448,-18.948 8.752,-18.948 ; 8.448,-17.628 9.006,-17.628 ; 8.448,-17.12 8.778,-17.12 ; 8.448,-17.094 8.752,-17.094 ; 8.448,-14.91 8.6,-14.91 ; 8.473,-19.482 8.625,-19.482 ; 8.473,-19.456 8.651,-19.456 ; 8.473,-17.653 9.032,-17.653 ; 8.473,-17.196 8.829,-17.196 ; 8.473,-17.17 8.803,-17.17 ; 8.473,-17.145 8.803,-17.145 ; 8.473,-14.961 8.651,-14.961 ; 8.473,-14.935 8.625,-14.935 ; 8.498,-19.431 8.676,-19.431 ; 8.498,-18.923 8.803,-18.923 ; 8.498,-17.704 9.032,-17.704 ; 8.498,-17.678 9.032,-17.678 ; 8.498,-17.247 8.829,-17.247 ; 8.498,-17.221 8.829,-17.221 ; 8.498,-15.469 8.803,-15.469 ; 8.498,-14.986 8.676,-14.986 ; 8.524,-19.406 8.676,-19.406 ; 8.524,-19.38 8.702,-19.38 ; 8.524,-18.898 8.803,-18.898 ; 8.524,-17.729 9.057,-17.729 ; 8.524,-17.323 8.879,-17.323 ; 8.524,-17.297 8.854,-17.297 ; 8.524,-17.272 8.854,-17.272 ; 8.524,-15.037 8.702,-15.037 ; 8.524,-15.011 8.676,-15.011 ; 8.549,-17.348 8.879,-17.348 ; 8.549,-15.494 8.829,-15.494 ; 8.549,-15.062 8.727,-15.062 ; 8.575,-19.355 8.727,-19.355 ; 8.575,-19.329 8.752,-19.329 ; 8.575,-17.78 9.083,-17.78 ; 8.575,-17.755 9.057,-17.755 ; 8.575,-17.399 8.905,-17.399 ; 8.575,-17.374 8.905,-17.374 ; 8.575,-15.088 8.727,-15.088 ; 8.6,-19.304 8.752,-19.304 ; 8.6,-18.872 8.854,-18.872 ; 8.6,-17.805 9.083,-17.805 ; 8.6,-16.231 9.692,-16.231 ; 8.6,-15.519 8.854,-15.519 ; 8.6,-15.113 8.752,-15.113 ; 8.625,-19.279 8.778,-19.279 ; 8.625,-19.253 8.803,-19.253 ; 8.625,-17.831 9.083,-17.831 ; 8.625,-15.138 8.778,-15.138 ; 8.651,-19.228 8.803,-19.228 ; 8.651,-18.847 8.905,-18.847 ; 8.651,-17.856 9.108,-17.856 ; 8.651,-15.545 11.191,-15.545 ; 8.651,-15.189 8.803,-15.189 ; 8.651,-15.164 8.803,-15.164 ; 8.676,-19.202 8.829,-19.202 ; 8.676,-19.177 8.854,-19.177 ; 8.676,-17.907 9.108,-17.907 ; 8.676,-17.882 9.108,-17.882 ; 8.676,-15.24 8.829,-15.24 ; 8.676,-15.215 8.829,-15.215 ; 8.702,-19.152 8.854,-19.152 ; 8.702,-18.821 11.165,-18.821 ; 8.702,-17.958 9.159,-17.958 ; 8.702,-17.932 9.133,-17.932 ; 8.702,-15.57 11.191,-15.57 ; 8.702,-15.265 8.854,-15.265 ; 8.727,-19.126 8.905,-19.126 ; 8.727,-19.101 8.905,-19.101 ; 8.727,-17.983 9.159,-17.983 ; 8.727,-15.596 11.165,-15.596 ; 8.727,-15.316 8.905,-15.316 ; 8.727,-15.291 8.879,-15.291 ; 8.752,-19.075 8.93,-19.075 ; 8.752,-18.796 11.14,-18.796 ; 8.752,-18.034 9.184,-18.034 ; 8.752,-18.009 9.159,-18.009 ; 8.752,-15.342 8.93,-15.342 ; 8.778,-19.05 8.956,-19.05 ; 8.778,-18.771 9.006,-18.771 ; 8.778,-18.059 9.184,-18.059 ; 8.778,-15.621 11.165,-15.621 ; 8.778,-15.367 8.93,-15.367 ; 8.803,-19.025 8.981,-19.025 ; 8.803,-18.085 9.184,-18.085 ; 8.803,-15.418 8.981,-15.418 ; 8.803,-15.392 8.981,-15.392 ; 8.829,-18.999 8.981,-18.999 ; 8.829,-18.974 9.006,-18.974 ; 8.829,-18.745 9.032,-18.745 ; 8.829,-18.136 9.235,-18.136 ; 8.829,-18.11 9.21,-18.11 ; 8.829,-15.646 9.032,-15.646 ; 8.829,-15.443 9.006,-15.443 ; 8.854,-18.948 9.032,-18.948 ; 8.854,-18.72 9.083,-18.72 ; 8.854,-18.186 9.26,-18.186 ; 8.854,-18.161 9.235,-18.161 ; 8.854,-15.672 9.083,-15.672 ; 8.854,-15.469 9.006,-15.469 ; 8.879,-18.923 9.032,-18.923 ; 8.879,-18.898 11.216,-18.898 ; 8.879,-18.212 9.26,-18.212 ; 8.879,-15.519 11.216,-15.519 ; 8.879,-15.494 9.032,-15.494 ; 8.905,-18.872 11.191,-18.872 ; 8.905,-18.694 9.413,-18.694 ; 8.905,-18.263 9.286,-18.263 ; 8.905,-18.237 9.26,-18.237 ; 8.905,-15.697 9.108,-15.697 ; 8.93,-18.847 11.191,-18.847 ; 8.93,-18.669 9.413,-18.669 ; 8.93,-18.313 9.438,-18.313 ; 8.93,-18.288 9.286,-18.288 ; 8.93,-16.256 9.667,-16.256 ; 8.93,-15.723 9.133,-15.723 ; 8.956,-18.339 9.438,-18.339 ; 8.981,-18.644 9.413,-18.644 ; 8.981,-18.415 9.362,-18.415 ; 8.981,-18.39 9.387,-18.39 ; 8.981,-18.364 9.413,-18.364 ; 8.981,-15.748 9.159,-15.748 ; 9.006,-18.618 9.387,-18.618 ; 9.006,-18.466 9.362,-18.466 ; 9.006,-18.44 9.362,-18.44 ; 9.006,-15.773 9.184,-15.773 ; 9.032,-18.593 9.387,-18.593 ; 9.032,-18.567 9.387,-18.567 ; 9.032,-18.517 9.362,-18.517 ; 9.032,-18.491 9.362,-18.491 ; 9.032,-15.799 9.235,-15.799 ; 9.057,-18.542 9.387,-18.542 ; 9.057,-15.824 9.26,-15.824 ; 9.083,-15.85 9.26,-15.85 ; 9.108,-15.875 9.286,-15.875 ; 9.133,-18.745 9.438,-18.745 ; 9.133,-18.72 9.438,-18.72 ; 9.133,-15.9 9.311,-15.9 ; 9.159,-18.771 9.438,-18.771 ; 9.159,-15.951 9.337,-15.951 ; 9.159,-15.926 9.337,-15.926 ; 9.311,-18.288 9.464,-18.288 ; 9.311,-16.281 9.641,-16.281 ; 9.337,-18.263 9.489,-18.263 ; 9.337,-18.237 9.489,-18.237 ; 9.362,-18.212 9.514,-18.212 ; 9.362,-18.186 9.514,-18.186 ; 9.387,-18.161 9.54,-18.161 ; 9.387,-18.136 9.565,-18.136 ; 9.413,-18.11 9.565,-18.11 ; 9.413,-16.307 9.591,-16.307 ; 9.438,-18.085 9.591,-18.085 ; 9.438,-18.059 9.591,-18.059 ; 9.438,-18.034 9.616,-18.034 ; 9.438,-16.358 9.616,-16.358 ; 9.438,-16.332 9.591,-16.332 ; 9.464,-18.009 9.616,-18.009 ; 9.464,-16.383 9.616,-16.383 ; 9.489,-17.983 9.616,-17.983 ; 9.489,-17.958 9.641,-17.958 ; 9.489,-16.434 9.641,-16.434 ; 9.489,-16.408 9.616,-16.408 ; 9.514,-17.932 9.641,-17.932 ; 9.514,-17.907 9.667,-17.907 ; 9.514,-17.882 9.667,-17.882 ; 9.514,-16.51 9.667,-16.51 ; 9.514,-16.485 9.667,-16.485 ; 9.514,-16.459 9.641,-16.459 ; 9.54,-17.856 9.667,-17.856 ; 9.54,-17.831 9.692,-17.831 ; 9.54,-16.561 9.692,-16.561 ; 9.54,-16.535 9.667,-16.535 ; 9.565,-17.805 9.692,-17.805 ; 9.565,-17.78 9.692,-17.78 ; 9.565,-17.755 9.718,-17.755 ; 9.565,-16.637 9.718,-16.637 ; 9.565,-16.612 9.692,-16.612 ; 9.565,-16.586 9.692,-16.586 ; 9.591,-17.729 9.718,-17.729 ; 9.591,-17.704 9.718,-17.704 ; 9.591,-17.678 9.718,-17.678 ; 9.591,-16.713 9.718,-16.713 ; 9.591,-16.688 9.718,-16.688 ; 9.591,-16.662 9.718,-16.662 ; 9.616,-17.653 9.743,-17.653 ; 9.616,-17.628 9.743,-17.628 ; 9.616,-17.602 9.743,-17.602 ; 9.616,-17.577 9.743,-17.577 ; 9.616,-17.551 9.743,-17.551 ; 9.616,-17.526 9.768,-17.526 ; 9.616,-16.866 9.768,-16.866 ; 9.616,-16.84 9.743,-16.84 ; 9.616,-16.815 9.743,-16.815 ; 9.616,-16.789 9.743,-16.789 ; 9.616,-16.764 9.743,-16.764 ; 9.616,-16.739 9.743,-16.739 ; 9.641,-17.501 9.768,-17.501 ; 9.641,-17.475 9.768,-17.475 ; 9.641,-17.45 9.768,-17.45 ; 9.641,-17.424 9.768,-17.424 ; 9.641,-17.399 9.768,-17.399 ; 9.641,-17.374 9.768,-17.374 ; 9.641,-17.348 9.768,-17.348 ; 9.641,-17.323 9.768,-17.323 ; 9.641,-17.297 9.794,-17.297 ; 9.641,-17.272 9.794,-17.272 ; 9.641,-17.247 9.794,-17.247 ; 9.641,-17.145 9.794,-17.145 ; 9.641,-17.12 9.794,-17.12 ; 9.641,-17.094 9.794,-17.094 ; 9.641,-17.069 9.768,-17.069 ; 9.641,-17.043 9.768,-17.043 ; 9.641,-17.018 9.768,-17.018 ; 9.641,-16.993 9.768,-16.993 ; 9.641,-16.967 9.768,-16.967 ; 9.641,-16.942 9.768,-16.942 ; 9.641,-16.916 9.768,-16.916 ; 9.641,-16.891 9.768,-16.891 ; 9.667,-17.221 9.794,-17.221 ; 9.667,-17.196 9.794,-17.196 ; 9.667,-17.17 9.794,-17.17 ; 9.972,-17.221 10.124,-17.221 ; 9.997,-17.247 10.149,-17.247 ; 9.997,-17.196 10.149,-17.196 ; 9.997,-17.17 10.149,-17.17 ; 10.022,-17.272 10.175,-17.272 ; 10.022,-17.145 10.175,-17.145 ; 10.048,-17.323 10.2,-17.323 ; 10.048,-17.297 10.2,-17.297 ; 10.048,-17.12 10.2,-17.12 ; 10.048,-17.094 10.2,-17.094 ; 10.073,-17.374 10.251,-17.374 ; 10.073,-17.348 10.226,-17.348 ; 10.073,-17.069 10.226,-17.069 ; 10.099,-17.399 10.251,-17.399 ; 10.099,-17.043 10.251,-17.043 ; 10.099,-17.018 10.276,-17.018 ; 10.124,-17.45 10.302,-17.45 ; 10.124,-17.424 10.276,-17.424 ; 10.124,-16.993 10.276,-16.993 ; 10.124,-16.967 10.302,-16.967 ; 10.149,-17.475 10.302,-17.475 ; 10.149,-16.942 10.302,-16.942 ; 10.175,-17.526 10.327,-17.526 ; 10.175,-17.501 10.327,-17.501 ; 10.175,-16.916 10.327,-16.916 ; 10.175,-16.891 10.353,-16.891 ; 10.2,-17.577 10.378,-17.577 ; 10.2,-17.551 10.353,-17.551 ; 10.2,-16.866 10.353,-16.866 ; 10.2,-16.84 10.378,-16.84 ; 10.226,-17.602 10.378,-17.602 ; 10.251,-17.628 10.403,-17.628 ; 10.251,-16.815 10.378,-16.815 ; 10.251,-16.789 10.403,-16.789 ; 10.276,-17.678 10.429,-17.678 ; 10.276,-17.653 10.429,-17.653 ; 10.276,-16.764 10.429,-16.764 ; 10.276,-16.739 10.429,-16.739 ; 10.302,-17.729 10.454,-17.729 ; 10.302,-17.704 10.454,-17.704 ; 10.302,-16.713 10.454,-16.713 ; 10.327,-17.755 10.48,-17.755 ; 10.327,-16.688 10.48,-16.688 ; 10.327,-16.662 10.48,-16.662 ; 10.353,-17.78 10.505,-17.78 ; 10.353,-16.637 10.505,-16.637 ; 10.378,-17.831 10.53,-17.831 ; 10.378,-17.805 10.53,-17.805 ; 10.378,-16.612 10.53,-16.612 ; 10.378,-16.586 10.53,-16.586 ; 10.403,-17.882 10.581,-17.882 ; 10.403,-17.856 10.556,-17.856 ; 10.403,-16.561 10.556,-16.561 ; 10.429,-17.932 10.607,-17.932 ; 10.429,-17.907 10.581,-17.907 ; 10.429,-16.535 10.581,-16.535 ; 10.429,-16.51 10.581,-16.51 ; 10.454,-17.958 10.607,-17.958 ; 10.454,-16.485 10.607,-16.485 ; 10.454,-16.459 10.632,-16.459 ; 10.48,-18.009 10.657,-18.009 ; 10.48,-17.983 10.632,-17.983 ; 10.48,-16.434 10.632,-16.434 ; 10.48,-16.408 10.657,-16.408 ; 10.505,-18.034 10.657,-18.034 ; 10.505,-16.383 10.657,-16.383 ; 10.53,-18.085 10.708,-18.085 ; 10.53,-18.059 10.683,-18.059 ; 10.53,-16.358 10.683,-16.358 ; 10.53,-16.332 10.708,-16.332 ; 10.556,-18.11 10.708,-18.11 ; 10.581,-18.136 10.734,-18.136 ; 10.581,-16.307 10.734,-16.307 ; 10.581,-16.281 10.734,-16.281 ; 10.607,-18.186 10.759,-18.186 ; 10.607,-18.161 10.759,-18.161 ; 10.607,-16.256 10.759,-16.256 ; 10.607,-16.231 10.759,-16.231 ; 10.632,-18.237 10.784,-18.237 ; 10.632,-18.212 10.784,-18.212 ; 10.632,-16.205 10.784,-16.205 ; 10.632,-16.18 10.784,-16.18 ; 10.657,-18.288 10.81,-18.288 ; 10.657,-18.263 10.81,-18.263 ; 10.657,-16.154 10.81,-16.154 ; 10.683,-18.313 10.835,-18.313 ; 10.683,-16.129 10.835,-16.129 ; 10.683,-16.104 10.835,-16.104 ; 10.708,-18.339 10.861,-18.339 ; 10.708,-16.078 10.861,-16.078 ; 10.734,-18.39 10.911,-18.39 ; 10.734,-18.364 10.886,-18.364 ; 10.734,-16.053 10.886,-16.053 ; 10.734,-16.027 10.911,-16.027 ; 10.759,-18.44 10.937,-18.44 ; 10.759,-18.415 10.911,-18.415 ; 10.759,-16.002 10.911,-16.002 ; 10.784,-18.466 10.937,-18.466 ; 10.784,-15.977 10.937,-15.977 ; 10.784,-15.951 10.962,-15.951 ; 10.81,-18.517 10.988,-18.517 ; 10.81,-18.491 10.962,-18.491 ; 10.81,-15.926 10.962,-15.926 ; 10.81,-15.9 10.988,-15.9 ; 10.835,-18.542 10.988,-18.542 ; 10.835,-15.875 10.988,-15.875 ; 10.835,-15.85 11.013,-15.85 ; 10.861,-18.593 11.013,-18.593 ; 10.861,-18.567 11.013,-18.567 ; 10.861,-15.824 11.013,-15.824 ; 10.886,-18.618 11.038,-18.618 ; 10.886,-15.799 11.038,-15.799 ; 10.911,-18.669 11.064,-18.669 ; 10.911,-18.644 11.064,-18.644 ; 10.911,-15.773 11.064,-15.773 ; 10.911,-15.748 11.064,-15.748 ; 10.937,-18.694 11.089,-18.694 ; 10.937,-15.723 11.089,-15.723 ; 10.962,-18.745 11.115,-18.745 ; 10.962,-18.72 11.115,-18.72 ; 10.962,-15.697 11.115,-15.697 ; 10.962,-15.672 11.115,-15.672 ; 10.988,-18.771 11.14,-18.771 ; 10.988,-15.646 11.14,-15.646

## Polygon pours and split planes (outlines as drawn)
GND on Bottom Layer "Bottom Layer-GND" (hatched Horizontal grid 0.102 track 0.127, remove dead copper, pour order 24): -20.7,-26.614 -20.7,22.2 15.6,22.2 15.6,-26.614
3.3V on Bottom Layer "Bottom Layer-3.3V" (solid, remove dead copper, pour order 12): -3.81,11.73 -3.81,10.508 -2.786,10.508 -2.311,10.033 -2.311,6.993 -0.127,6.993 -0.127,7.188 0.254,7.569 6.299,7.569 8.433,9.703 9.271,9.703 9.271,11.227 7.373,11.227 6.565,10.419 -0.127,10.419 -0.127,8.763 -1.245,8.763 -1.245,10.674 -2.291,11.721
NetL1_2 on Bottom Layer "Bottom Layer-NetL1_2" (solid, remove dead copper, pour order 6): -2.371,10.772 -2.371,5.625 -5.232,5.625 -5.232,9.493 -3.953,10.772
VCC on Bottom Layer "Bottom Layer-VCC" (solid, remove dead copper, pour order 10): -5.598,11.836 -5.576,10.73 -6.701,10.733 -8.458,8.976 -8.458,8.306 -9.83,6.934 -11.201,6.934 -11.201,8.996 -8.361,11.836
NetL1_1 on Bottom Layer "Bottom Layer-NetL1_1" (solid, remove dead copper, pour order 8): -5.25,10.537 -5.25,5.665 -8.56,5.663 -8.56,8.509 -7.417,8.509 -7.417,9.652 -6.525,10.544
USB_VCC on Bottom Layer "USB_VCC_L02_P004" (solid, remove dead copper, pour order 4): -14.046,0.229 -14.046,-1.524 -12.355,-1.524 -12.355,0.051 -11.227,1.179 -11.227,2.261 -12.548,2.261 -13.31,1.499 -13.31,0.229
BAT on Bottom Layer "Bottom Layer-BAT" (solid, remove dead copper, pour order 0): -9.779,-0.051 -11.227,-0.051 -11.227,2.235 -14.605,2.235 -14.605,6.579 -13.005,6.579 -13.005,5.08 -11.989,5.08 -11.989,3.988 -10.897,3.988 -10.897,6.274 -10.846,6.223 -9.779,6.223
NetD3_2 on Bottom Layer "Bottom Layer-NetD3_2" (solid, remove dead copper, pour order 16): -12.141,4.635 -12.141,7.188 -10.49,7.188 -10.49,4.635
GND on Top Layer "Top Layer-KEY2" (hatched Horizontal grid 0.102 track 0.127, remove dead copper, pour order 22): -20.7,-26.614 15.6,-26.614 15.6,22.2 -20.7,22.2
BAT on Top Layer "Top Layer-BAT" (hatched Horizontal grid 0.102 track 0.127, remove dead copper, pour order 20): -10.934,6.139 -10.934,4.496 -9.754,4.496 -9.754,6.139
USB_VCC on Top Layer "Top Layer-USB_VCC" (solid, remove dead copper, pour order 14): -11.96,6.553 -11.96,5.867 -11.354,5.867 -11.354,1.016 -11.836,1.016 -12.624,1.803 -12.497,1.93 -12.497,4.928 -13.496,4.928 -13.496,6.553
NetR8_1 on Top Layer "Top Layer-NetR8_1" (solid, remove dead copper, pour order 2): -15.672,-1.651 -13.716,-1.651 -10.084,-1.651 -10.084,-0.838 -12.649,-0.838 -12.649,-0.32 -15.672,-0.342
NetD3_2 on Top Layer "Top Layer-NetD3_2" (solid, remove dead copper, pour order 18): -12.332,8.385 -12.332,5.994 -10.795,5.994 -10.795,8.385
no net on Mechanical 1 (hatched Horizontal grid 0.102 track 0.127, remove dead copper): -19,20

## Other copper
Top Layer:
  text "john1175  涵尘" at -19.5,-20.5 h1.2
  text "WatchX_Pro" at 8.4,-20.5 h1.2
Bottom Layer:
  text "john1175  涵尘" at -19.5,-20.5 h1.2
  text "WatchX_Pro" at 8.4,-20.5 h1.2

## Silkscreen, mask and mechanical layers (free items; w line width, h text height)
Top Solder:
  text "john1175  涵尘" at -19.5,-20.5 h1.2
  text "WatchX_Pro" at 8.4,-20.5 h1.2
Bottom Solder:
  drawing of 1140 lines, arcs and shapes, not listed
  text "john1175  涵尘" at -19.5,-20.5 h1.2
  text "WatchX_Pro" at 8.4,-20.5 h1.2
Mechanical 1:
  lines w0.254: -20.487,-25 ccw(c-19,-25) -19,-26.487 ; -18.987,-26.5 14,-26.5 ccw(c14,-25) 15.5,-25 15.5,20.5 ccw(c14,20.5) 14,22 -19,22 ccw(c-19,20.5) -20.5,20.5 -20.5,-25 ; -20.5,-25 -20.5,-25

## Text inside footprints (layer, text, board x,y; h text height)
V1: Bottom Overlay "*" at -3.924,12.897 h0.79; Mechanical 1 "*" at -3.925,12.897 h0.79